# KiCad board raw.kicad_pcb (continued)
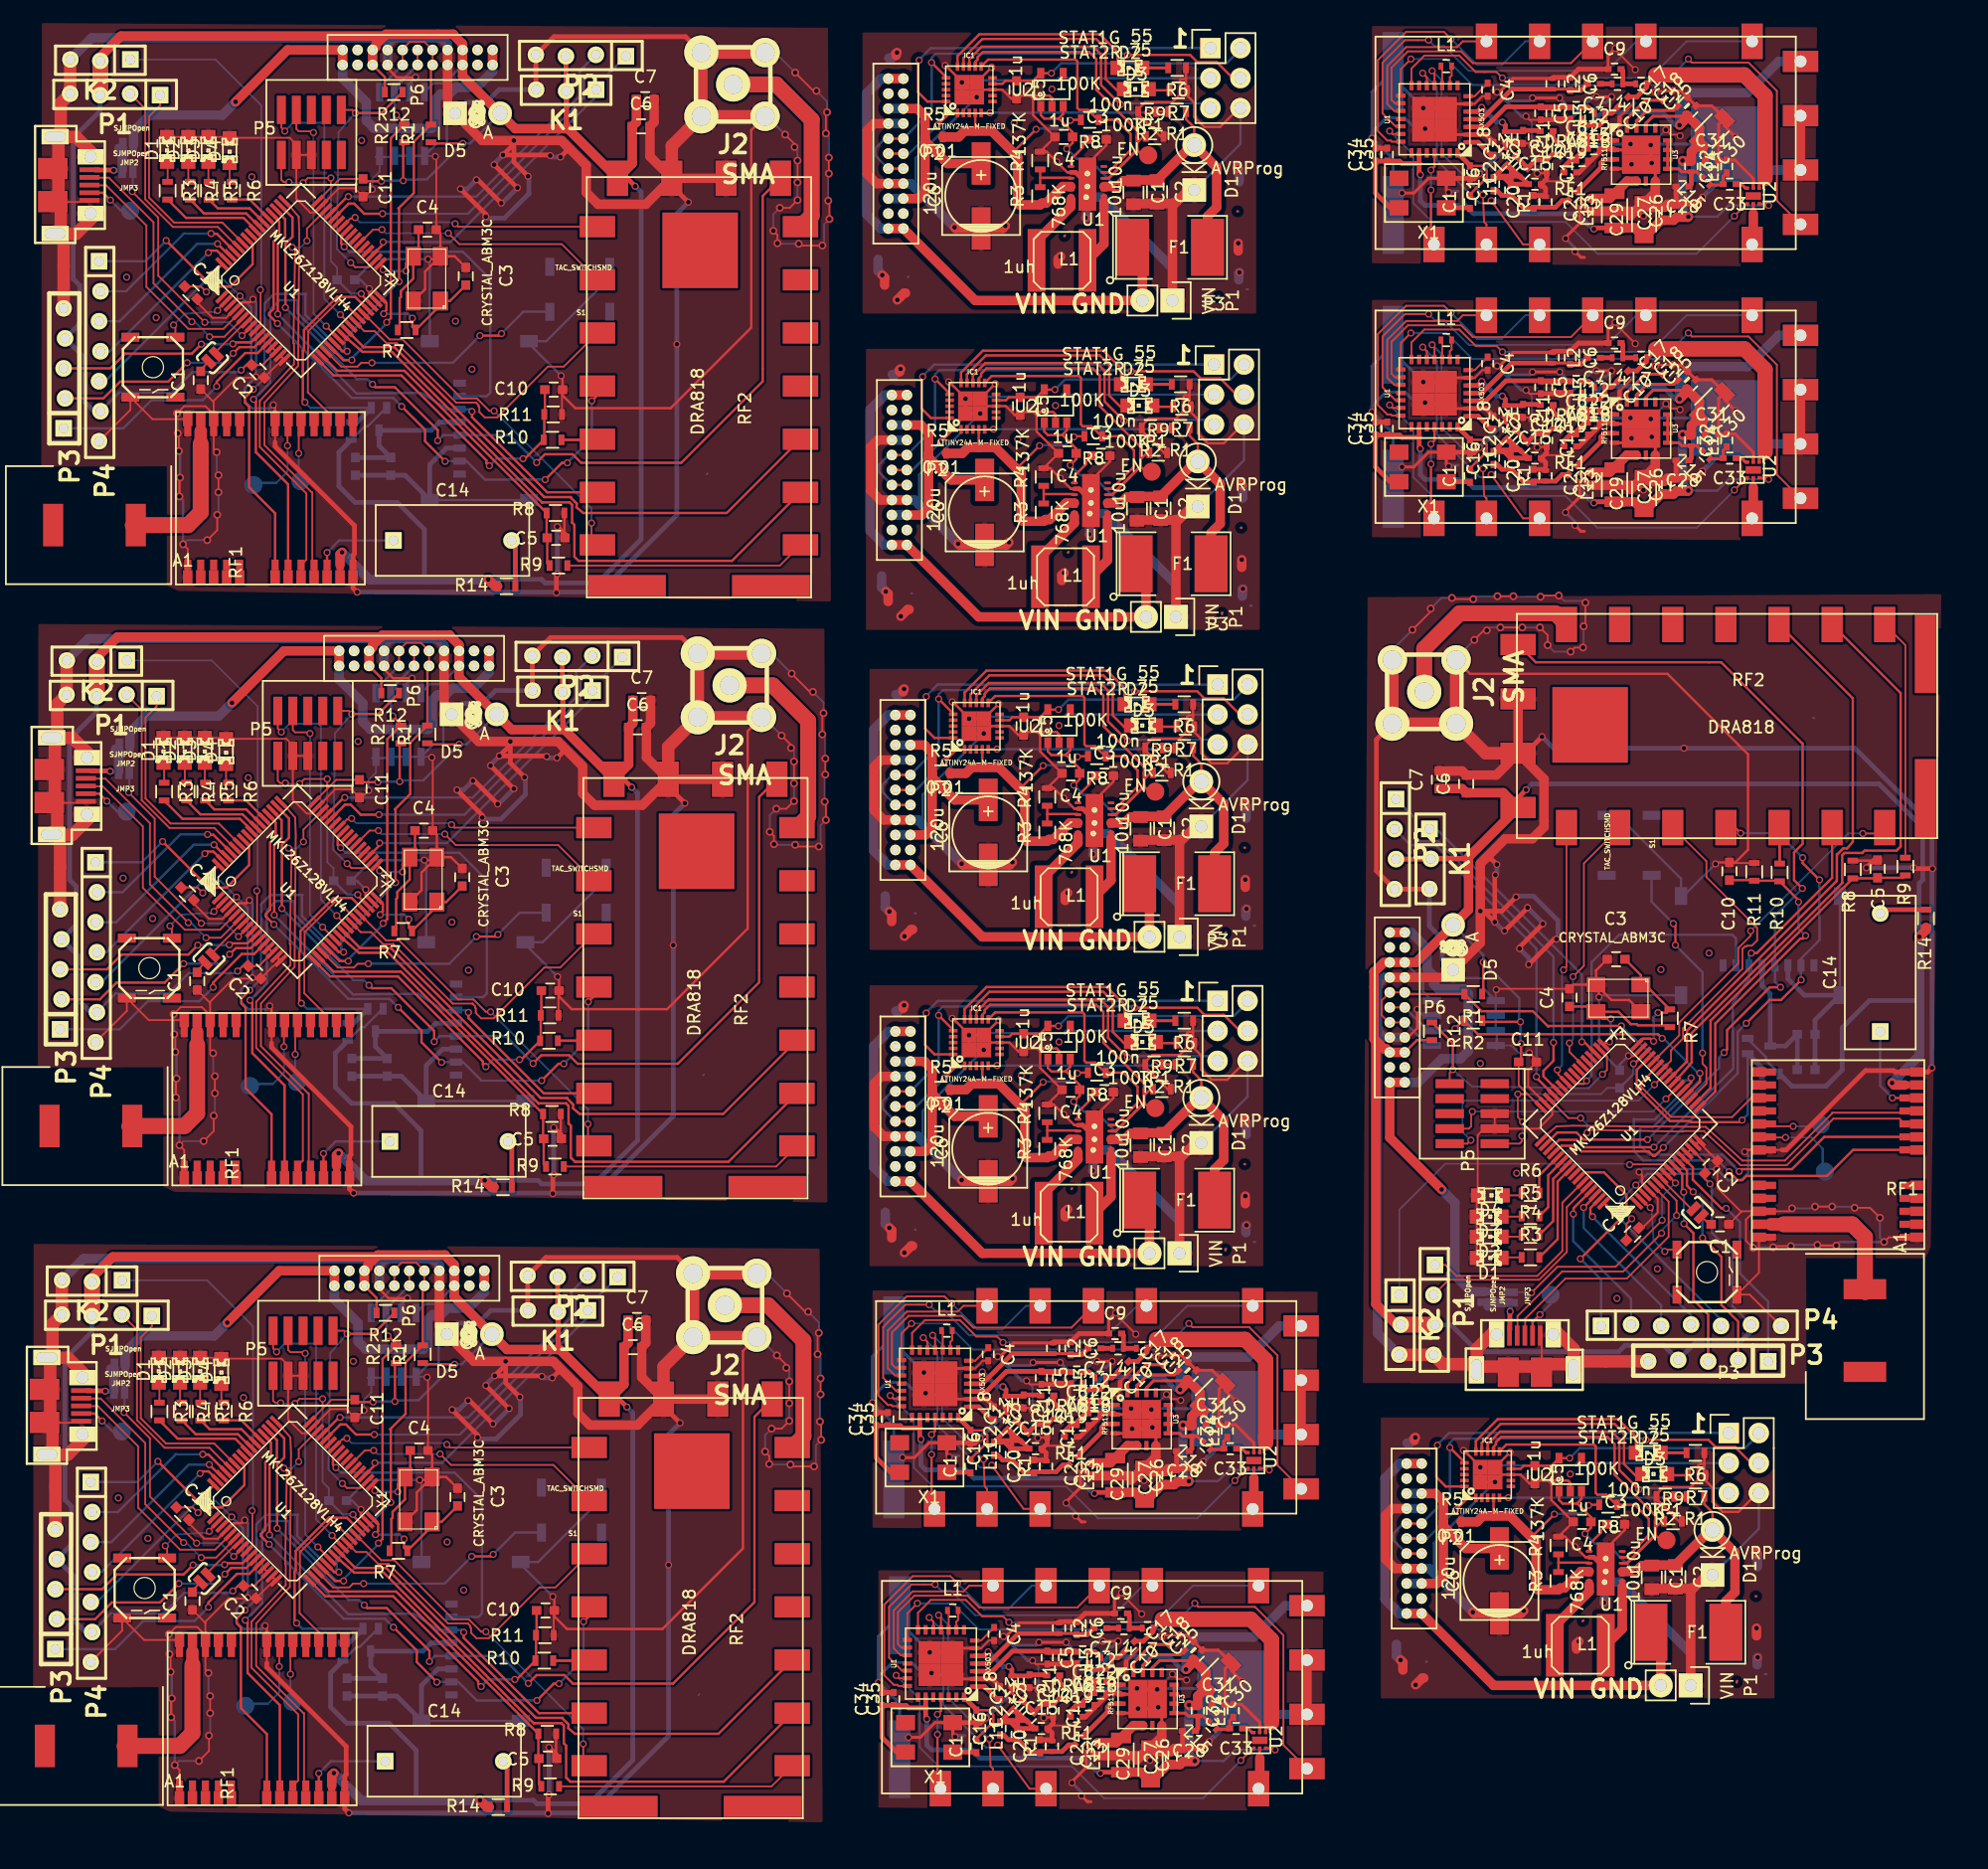
[diagram p0: board, top side]
## Placement (name value [footprint] x y rotation side) (continued)
P7#3  GPSDM  [Measurement_Point_Round-SMD-Pad_Small]  20.77 9.85 0 bottom
P7#4  GPSDM  [Measurement_Point_Round-SMD-Pad_Small]  150.25 58.75 90 bottom
P8  GPSDP  [Measurement_Point_Round-SMD-Pad_Small]  17.5 112.93 0 bottom
P8#2  GPSDP  [Measurement_Point_Round-SMD-Pad_Small]  17.2 62.03 0 bottom
P8#3  GPSDP  [Measurement_Point_Round-SMD-Pad_Small]  16.8 9.53 0 bottom
P8#4  GPSDP  [Measurement_Point_Round-SMD-Pad_Small]  150.58 54.78 90 bottom
P10  ID  [Measurement_Point_Round-SMD-Pad_Small]  7.05 136.15 0 bottom
P10#2  ID  [Measurement_Point_Round-SMD-Pad_Small]  6.75 85.25 0 bottom
P10#3  ID  [Measurement_Point_Round-SMD-Pad_Small]  6.35 32.75 0 bottom
P10#4  ID  [Measurement_Point_Round-SMD-Pad_Small]  127.35 44.33 90 bottom
Q1  MOS_P_NUM  [SOT-323]  28.12 118.5 180 bottom
Q1#2  MOS_P_NUM  [SOT-323]  27.83 67.6 180 bottom
Q1#3  MOS_P_NUM  [SOT-323]  27.43 15.1 180 bottom
Q1#4  MOS_P_NUM  [SOT-323]  145 65.4 270 bottom
R1  R  [R_0603]  95.72 144.55 180 top
R1#2  R  [R_0603]  96.03 117.75 180 top
R1#3  R  [R_0603]  96.32 90.65 180 top
R1#4  R  [R_0603]  139.62 27.25 180 top
R1#5  R  [R_0603]  96.32 63.85 180 top
R1#6  R  [R_0603]  32.52 142.7 90 top
R1#7  R  [R_0603]  32.23 91.8 90 top
R1#8  R  [R_0603]  31.83 39.3 90 top
R1#9  R  [R_0603]  120.8 69.8 180 top
R1#10  R  [R_0402]  84.62 29.8 90 top
R1#11  R  [R_0402]  85.12 6.1 90 top
R1#12  R  [R_0402]  126.92 136.9 90 top
R1#13  R  [R_0402]  126.92 113.7 90 top
R2  R  [R_0603]  93.18 144.55 180 top
R2#2  R  [R_0603]  93.47 117.75 180 top
R2#3  R  [R_0603]  93.78 90.65 180 top
R2#4  R  [R_0603]  137.07 27.25 180 top
R2#5  R  [R_0603]  93.78 63.85 180 top
R2#6  R  [R_0603]  30.27 142.7 90 top
R2#7  R  [R_0603]  29.98 91.8 90 top
R2#8  R  [R_0603]  29.58 39.3 90 top
R2#9  R  [R_0603]  120.8 67.55 180 top
R3  768K  [R_0603]  84.12 137.4 90 top
R3#2  768K  [R_0603]  84.43 110.6 90 top
R3#3  768K  [R_0603]  84.72 83.5 90 top
R3#4  768K  [R_0603]  128.03 20.1 90 top
R3#5  768K  [R_0603]  84.72 56.7 90 top
R3#6  R  [R_0603]  10.23 137.85 270 top
R3#7  R  [R_0603]  9.93 86.95 270 top
R3#8  R  [R_0603]  9.53 34.45 270 top
R3#9  R  [R_0603]  125.65 47.5 0 top
R4  137K  [R_0603]  84.12 140.4 90 top
R4#2  137K  [R_0603]  84.43 113.6 90 top
R4#3  137K  [R_0603]  84.72 86.5 90 top
R4#4  137K  [R_0603]  128.03 23.1 90 top
R4#5  137K  [R_0603]  84.72 59.7 90 top
R4#6  R  [R_0603]  12.12 137.85 270 top
R4#7  R  [R_0603]  11.83 86.95 270 top
R4#8  R  [R_0603]  11.43 34.45 270 top
R4#9  R  [R_0603]  125.65 49.4 0 top
R5  0.01  [R_0603]  75.12 142.4 0 top
R5#2  0.01  [R_0603]  75.43 115.6 0 top
R5#3  0.01  [R_0603]  75.72 88.5 0 top
R5#4  0.01  [R_0603]  119.03 25.1 0 top
R5#5  0.01  [R_0603]  75.72 61.7 0 top
R5#6  R  [R_0603]  13.73 137.85 270 top
R5#7  R  [R_0603]  13.43 86.95 270 top
R5#8  R  [R_0603]  13.03 34.45 270 top
R5#9  R  [R_0603]  125.65 51 0 top
R6  55  [R_0603]  95.72 148.25 180 top
R6#2  55  [R_0603]  96.03 121.45 180 top
R6#3  55  [R_0603]  96.32 94.35 180 top
R6#4  55  [R_0603]  139.62 30.95 180 top
R6#5  55  [R_0603]  96.32 67.55 180 top
R6#6  R  [R_0603]  15.68 137.85 270 top
R6#7  R  [R_0603]  15.38 86.95 270 top
R6#8  R  [R_0603]  14.98 34.45 270 top
R6#9  R  [R_0603]  125.65 52.95 0 top
R7  75  [R_0603]  95.82 146.35 180 top
R7#2  75  [R_0603]  96.12 119.55 180 top
R7#3  75  [R_0603]  96.43 92.45 180 top
R7#4  75  [R_0603]  139.72 29.05 180 top
R7#5  75  [R_0603]  96.43 65.65 180 top
R7#6  R  [R_0603]  30.48 126.05 0 top
R7#7  R  [R_0603]  30.18 75.15 0 top
R7#8  R  [R_0603]  29.77 22.65 0 top
R7#9  R  [R_0603]  137.45 67.75 90 top
R8  100K  [R_0603]  88.93 89.95 180 top
R8#2  100K  [R_0603]  88.32 143.85 180 top
R8#3  100K  [R_0603]  88.62 117.05 180 top
R8#4  100K  [R_0603]  88.93 63.15 180 top
R8#5  100K  [R_0603]  132.22 26.55 180 top
R8#6  R  [R_0603]  43.08 110.55 0 top
R8#7  R  [R_0603]  42.77 59.65 0 top
R8#8  R  [R_0603]  42.38 7.15 0 top
R8#9  R  [R_0603]  152.95 80.35 90 top
R9  100K  [R_0603]  94.43 88.55 0 top
R9#2  100K  [R_0603]  93.82 142.45 0 top
R9#3  100K  [R_0603]  94.12 115.65 0 top
R9#4  100K  [R_0603]  94.43 61.75 0 top
R9#5  100K  [R_0603]  137.72 25.15 0 top
R9#6  R  [R_0603]  43.33 106.1 180 top
R9#7  R  [R_0603]  43.02 55.2 180 top
R9#8  R  [R_0603]  42.62 2.7 180 top
R9#9  R  [R_0603]  157.4 80.6 270 top
R10  R  [R_0603]  42.83 116.75 0 top
R10#2  R  [R_0603]  42.52 65.85 0 top
R10#3  R  [R_0603]  42.12 13.35 0 top
R10#4  R  [R_0603]  146.75 80.1 90 top
R11  R  [R_0603]  42.88 118.9 0 top
R11#2  R  [R_0603]  42.58 68 0 top
R11#3  R  [R_0603]  42.18 15.5 0 top
R11#4  R  [R_0603]  144.6 80.15 90 top
R12  R  [R_0603]  29.38 146.2 180 top
R12#2  R  [R_0603]  29.08 95.3 180 top
R12#3  R  [R_0603]  28.68 42.8 180 top
R12#4  R  [R_0603]  117.3 66.65 270 top
R13  R  [R_0603]  25.77 117.5 270 bottom
R13#2  R  [R_0603]  25.48 66.6 270 bottom
R13#3  R  [R_0603]  25.08 14.1 270 bottom
R13#4  R  [R_0603]  146 63.05 0 bottom
R14  R  [R_0603]  38.62 53.45 180 top
R14#2  R  [R_0603]  38.93 104.35 180 top
R14#3  R  [R_0603]  38.23 0.95 180 top
R14#4  R  [R_0603]  159.15 76.2 270 top
RF1  NEO7  [NEO-7]  10.93 105.1 90 top
RF1#2  NEO7  [NEO-7]  10.62 54.2 90 top
RF1#3  NEO7  [NEO-7]  10.23 1.7 90 top
RF1#4  NEO7  [NEO-7]  158.4 48.2 180 top
RF1#5  DRA818  [RFModuleOutline]  70.72 25.3 0 bottom
RF1#6  DRA818  [RFModuleOutline]  71.22 1.6 0 bottom
RF1#7  DRA818  [RFModuleOutline]  113.03 132.4 0 bottom
RF1#8  DRA818  [RFModuleOutline]  113.03 109.2 0 bottom
RF2  -  [DRA818]  64.72 103.4 90 top
RF2#2  -  [DRA818]  64.43 52.5 90 top
RF2#3  -  [DRA818]  64.03 0 90 top
RF2#4  -  [DRA818]  160.1 102 180 top
S1  TAC_SWITCHSMD  [SparkFun-TACTILE_SWITCH_SMD]  45.12 129.5 0 bottom
S1#2  TAC_SWITCHSMD  [SparkFun-TACTILE_SWITCH_SMD]  44.83 78.6 0 bottom
S1#3  TAC_SWITCHSMD  [SparkFun-TACTILE_SWITCH_SMD]  44.43 26.1 0 bottom
S1#4  TAC_SWITCHSMD  [SparkFun-TACTILE_SWITCH_SMD]  134 82.4 90 bottom
S2  TAC_SWITCHSMD  [SparkFun-TACTILE_SWITCH_SMD]  8.98 122.9 270 top
S2#2  TAC_SWITCHSMD  [SparkFun-TACTILE_SWITCH_SMD]  8.68 72 270 top
S2#3  TAC_SWITCHSMD  [SparkFun-TACTILE_SWITCH_SMD]  8.28 19.5 270 top
S2#4  TAC_SWITCHSMD  [SparkFun-TACTILE_SWITCH_SMD]  140.6 46.25 0 top
TP1  EN  [Measurement_Point_Round-SMD-Pad_Small]  93.88 86.95 0 top
TP1#2  EN  [Measurement_Point_Round-SMD-Pad_Small]  93.28 140.85 0 top
TP1#3  EN  [Measurement_Point_Round-SMD-Pad_Small]  93.57 114.05 0 top
TP1#4  EN  [Measurement_Point_Round-SMD-Pad_Small]  93.88 60.15 0 top
TP1#5  EN  [Measurement_Point_Round-SMD-Pad_Small]  137.17 23.55 0 top
U1  -  [TPS63020]  88.72 84.5 0 top
U1#2  -  [TPS63020]  88.12 138.4 0 top
U1#3  -  [TPS63020]  88.43 111.6 0 top
U1#4  -  [TPS63020]  88.72 57.7 0 top
U1#5  -  [TPS63020]  132.03 21.1 0 top
U1#6  MKL26Z128VLH4  [lqfp64]  21.52 130.25 315 top
U1#7  MKL26Z128VLH4  [lqfp64]  21.23 79.35 315 top
U1#8  MKL26Z128VLH4  [lqfp64]  20.83 26.85 315 top
U1#9  MKL26Z128VLH4  [lqfp64]  133.25 58.8 45 top
U1#10  AX503  [qfn-28]  75.22 36.8 90 top
U1#11  AX503  [qfn-28]  75.72 13.1 90 top
U1#12  AX503  [qfn-28]  117.53 143.9 90 top
U1#13  AX503  [qfn-28]  117.53 120.7 90 top
U2  NCP508  [SOT-23-5]  85.12 146.4 180 top
U2#2  NCP508  [SOT-23-5]  85.43 119.6 180 top
U2#3  NCP508  [SOT-23-5]  85.72 92.5 180 top
U2#4  NCP508  [SOT-23-5]  129.03 29.1 180 top
U2#5  NCP508  [SOT-23-5]  85.72 65.7 180 top
U2#6  PE42424  [PE4242]  102.22 30.3 90 top
U2#7  PE42424  [PE4242]  102.72 6.6 90 top
U2#8  PE42424  [PE4242]  144.53 137.4 90 top
U2#9  PE42424  [PE4242]  144.53 114.2 90 top
U2#10  24C16  [SOIC-8_3.9x4.9mm_Pitch1.27mm]  30.08 143.5 90 bottom
U2#11  24C16  [SOIC-8_3.9x4.9mm_Pitch1.27mm]  29.77 92.6 90 bottom
U2#12  24C16  [SOIC-8_3.9x4.9mm_Pitch1.27mm]  29.38 40.1 90 bottom
U2#13  24C16  [SOIC-8_3.9x4.9mm_Pitch1.27mm]  120 67.35 180 bottom
U3  MICRO-B_USB  [USB micro B female]  0.7 138.33 0 top
U3#2  MICRO-B_USB  [USB micro B female]  0.4 87.43 0 top
U3#3  MICRO-B_USB  [USB micro B female]  0 34.93 0 top
U3#4  MICRO-B_USB  [USB micro B female]  125.18 37.98 90 top
U3#5  RF5110G  [qfn-16]  92.72 33.8 270 top
U3#6  RF5110G  [qfn-16]  93.22 10.1 270 top
U3#7  RF5110G  [qfn-16]  135.03 140.9 270 top
U3#8  RF5110G  [qfn-16]  135.03 117.7 270 top
X1  -  [CRYSTAL_ABM3C]  32.18 130.4 90 top
X1#2  -  [CRYSTAL_ABM3C]  31.88 79.5 90 top
X1#3  -  [CRYSTAL_ABM3C]  31.48 27 90 top
X1#4  -  [CRYSTAL_ABM3C]  133.1 69.45 180 top
X1#5  TCXO  [FOX924B]  72.22 31.8 0 top
X1#6  TCXO  [FOX924B]  72.72 8.1 0 top
X1#7  TCXO  [FOX924B]  114.53 138.9 0 top
X1#8  TCXO  [FOX924B]  114.53 115.7 0 top

## Footprints (pads in the part's own frame, mm; a bottom-side part is the same pattern mirrored in y, then rotated)
1.27mmPitchHeader11X2
  round 0.9 hole 0.55: 1(-1.27,7.62) 2(0,7.62) 3(-1.27,6.35) 4(0,6.35) 5(-1.27,5.08) 6(0,5.08) 7(-1.27,3.81) 8(0,3.81) 9(-1.27,2.54) 10(0,2.54) 11(-1.27,1.27) 12(0,1.27) 13(-1.27,0) 14(0,0) 15(-1.27,-1.27) 16(0,-1.27) 17(-1.27,-2.54) 18(0,-2.54) 19(-1.27,-3.81) 20(0,-3.81) 21(-1.27,-5.08) 22(0,-5.08)
C_0402
  rect 0.6x0.5 smd: 1(-0.55,0) 2(0.55,0)
C_0603
  rect 0.8x0.75 smd: 1(-0.75,0) 2(0.75,0)
C_0805
  rect 1x1.25 smd: 1(-1,0) 2(1,0)
C_1206
  rect 1x1.6 smd: 1(-1.5,0) 2(1.5,0)
c_elec_6.3x7.7
  rect 3.599x1.6 smd: 1(2.751,0) 2(-2.751,0)
C_Rect_L13_W6_H12_P10
  rect 1.4x1.4 hole 0.8: 1(0,0)
  round 1.4 hole 0.8: 2(10,0)
CONN_1x3
  rect 1.397x1.397 hole 0.813: 1(2.54,0.061)
  round 1.397 hole 0.813: 2(0,-0.061) 3(-2.54,0.061)
CONN_1x4
  rect 1.397x1.397 hole 0.813: 1(3.81,-0.061)
  round 1.397 hole 0.813: 2(1.27,0.061) 3(-1.27,-0.061) 4(-3.81,0.061)
CONN_1x5
  rect 1.397x1.397 hole 0.813: 1(5.08,-0.061)
  round 1.397 hole 0.813: 2(2.54,0.061) 3(0,-0.061) 4(-2.54,0.061) 5(-5.08,-0.061)
CONN_1x7
  rect 1.397x1.397 hole 0.813: 1(7.62,0.061)
  round 1.397 hole 0.813: 2(5.08,-0.061) 3(2.54,0.061) 4(0,-0.061) 5(-2.54,0.061) 6(-5.08,-0.061) 7(-7.62,0.061)
CortexDebug
  rect 0.76x2.4 smd: 1(-1.27,-1.27) 2(-1.27,2.54) 3(0,-1.27) 4(0,2.54) 5(1.27,-1.27) 6(1.27,2.54) 7(2.54,-1.27) 8(2.54,2.54) 9(3.81,-1.27) 10(3.81,2.54)
CRYSTAL_ABM3C
  rect 1.6x1.3 smd: 1(-1.9,-1.151) 2(1.9,-1.151) 3(1.9,1.151) 4(-1.9,1.151)
Diode_DO-41_SOD81_Vertical_AnodeUp
  rect 1.999x1.999 hole 1.001: 1(0,0)
  round 1.999 hole 1.27: 2(3.81,0)
Diode_DO-41_SOD81_Vertical_KathodeUp
  rect 1.999x1.999 hole 1.001: 1(0,0)
  round 1.999 hole 1.27: 2(3.81,0)
DRA818
  rect 1.8x3 smd: 1(4.45,18.1) 2(8.9,18.1) 3(13.4,18.1) 4(17.9,18.1) 5(22.4,18.1) 6(26.9,18.1) 7(31.4,18.1) 12(31.4,0.9) 13(26.9,0.9) 14(22.4,0.9) 15(17.9,0.9) 16(13.4,0.9) 17(8.9,0.9) 18(4.45,0.9)
  rect 3x1.8 smd: 8(35.5,16.4) 9(35.5,11.8) 10(35.5,7.2) 11(35.5,2.6)
  rect 6.4x6.4 smd: P1(29.4,9.4)
  rect 1.8x6.6 smd: P2(1,15.6) P3(1,3.4)
FOX924B
  rect 1.6x1.3 smd: 1(0,0) 2(4,0) 3(4,-2.5) 4(0,-2.5)
GPSAnt
  rect 1.7x3.6 smd: 1(-1,3) 2(6,3)
LED-0805
  rect 1.199x1.199 smd: 1(-1.049,0) 2(1.049,0)
lqfp64
  rect 0.33x1.3 smd: 1(-3.749,-5.751) 2(-3.251,-5.751) 3(-2.751,-5.751) 4(-2.25,-5.751) 5(-1.75,-5.751) 6(-1.25,-5.751) 7(-0.749,-5.751) 8(-0.249,-5.751) 9(0.249,-5.751) 10(0.749,-5.751) 11(1.25,-5.751) 12(1.75,-5.751) 13(2.25,-5.751) 14(2.751,-5.751) 15(3.251,-5.751) 16(3.749,-5.751) 33(3.749,5.751) 34(3.251,5.751) 35(2.751,5.751) 36(2.25,5.751) 37(1.75,5.751) 38(1.25,5.751) 39(0.749,5.751) 40(0.249,5.751) 41(-0.249,5.751) 42(-0.749,5.751) 43(-1.25,5.751) 44(-1.75,5.751) 45(-2.25,5.751) 46(-2.751,5.751) 47(-3.251,5.751) 48(-3.749,5.751)
  rect 1.3x0.33 smd: 17(5.751,-3.749) 18(5.751,-3.251) 19(5.751,-2.751) 20(5.751,-2.25) 21(5.751,-1.75) 22(5.751,-1.25) 23(5.751,-0.749) 24(5.751,-0.249) 25(5.751,0.249) 26(5.751,0.749) 27(5.751,1.25) 28(5.751,1.75) 29(5.751,2.25) 30(5.751,2.751) 31(5.751,3.251) 32(5.751,3.749) 49(-5.751,3.749) 50(-5.751,3.251) 51(-5.751,2.751) 52(-5.751,2.25) 53(-5.751,1.75) 54(-5.751,1.25) 55(-5.751,0.749) 56(-5.751,0.249) 57(-5.751,-0.249) 58(-5.751,-0.749) 59(-5.751,-1.25) 60(-5.751,-1.75) 61(-5.751,-2.25) 62(-5.751,-2.751) 63(-5.751,-3.251) 64(-5.751,-3.749)
Measurement_Point_Round-SMD-Pad_Small
  round 1.524 smd: 1(0,0)
MICRO_SD_HINGE_AMP
  rect 0.599x1.049 smd: 1(3.17,-9.469) 2(2.07,-9.469) 3(0.97,-9.469) 4(-0.13,-9.469) 5(-1.229,-9.469) 6(-2.329,-9.469) 7(-3.429,-9.469) 8(-4.529,-9.469)
  rect 1.049x1.501 smd: SHLD(-6.726,-11.999) SHLD(-6.726,-3.599) SHLD(6.726,-11.999) SHLD(6.726,-3.599)
NEO-7
  rect 0.9x0.6 smd: 1(12.4,-15) 2(12.4,-13.9) 3(12.4,-12.8) 4(12.4,-11.7) 5(12.4,-10.6) 6(12.4,-9.5) 7(12.4,-8.4) 8(12.4,-5.4) 9(12.4,-4.3) 10(12.4,-3.2) 11(12.4,-2.1) 12(12.4,-1) 13(1.05,-1) 14(1.05,-2.1) 15(1.05,-3.2) 16(1.05,-4.3) 17(1.05,-5.4) 18(1.05,-8.4) 19(1.05,-9.5) 20(1.05,-10.6) 21(1.05,-11.7) 22(1.05,-12.8) 23(1.05,-13.9) 24(1.05,-15)
  rect 1.2x0.8 smd: 1(13.4,-15) 2(13.4,-13.9) 3(13.4,-12.8) 4(13.4,-11.7) 5(13.4,-10.6) 6(13.4,-9.5) 7(13.4,-8.4) 8(13.4,-5.4) 9(13.4,-4.3) 10(13.4,-3.2) 11(13.4,-2.1) 12(13.4,-1) 13(0,-1) 14(0,-2.1) 15(0,-3.2) 16(0,-4.3) 17(0,-5.4) 18(0,-8.4) 19(0,-9.5) 20(0,-10.6) 21(0,-11.7) 22(0,-12.8) 23(0,-13.9) 24(0,-15)
PE4242
  rect 0.28x0.3 smd: 1(-0.66,0.5) 2(-0.66,0) 3(-0.66,-0.5) 4(0.66,-0.5) 5(0.66,0) 6(0.66,0.5)
  rect 0.63x1.3 smd: PAD(0,0)
Pin_Header_Straight_1x02
  rect 2.032x2.032 hole 1.016: 1(0,0)
  oval 2.032x2.032 hole 1.016: 2(0,-2.54)
Pin_Header_Straight_2x03
  rect 1.727x1.727 hole 1.016: 1(0,0)
  oval 1.727x1.727 hole 1.016: 2(2.54,0) 3(0,-2.54) 4(2.54,-2.54) 5(0,-5.08) 6(2.54,-5.08)
qfn-16
  rect 0.36x0.8 smd: 1(-1.2,-2.25) 2(-0.4,-2.25) 3(0.4,-2.25) 4(1.2,-2.25) 9(1.2,2.25) 10(0.4,2.25) 11(-0.4,2.25) 12(-1.2,2.25)
  rect 0.8x0.36 smd: 5(2.25,-1.2) 6(2.25,-0.4) 7(2.25,0.4) 8(2.25,1.2) 13(-2.25,1.2) 14(-2.25,0.4) 15(-2.25,-0.4) 16(-2.25,-1.2)
  rect 1.625x1.625 smd: 21(-0.812,0.812) 21(-0.812,-0.812) 21(0.812,0.812) 21(0.812,-0.812)
qfn-20
  rect 0.3x0.729 smd: 1(-1.001,-1.966) 2(-0.5,-1.966) 3(0,-1.966) 4(0.5,-1.966) 5(1.001,-1.966) 11(1.001,1.966) 12(0.5,1.966) 13(0,1.966) 14(-0.5,1.966) 15(-1.001,1.966)
  rect 0.729x0.3 smd: 6(1.966,-1.001) 7(1.966,-0.5) 8(1.966,0) 9(1.966,0.5) 10(1.966,1.001) 16(-1.966,1.001) 17(-1.966,0.5) 18(-1.966,0) 19(-1.966,-0.5) 20(-1.966,-1.001)
  rect 1.25x1.25 smd: 21(-0.625,0.625) 21(-0.625,-0.625) 21(0.625,0.625) 21(0.625,-0.625)
qfn-28
  rect 0.351x0.8 smd: 1(-1.951,-2.85) 2(-1.3,-2.85) 3(-0.65,-2.85) 4(0,-2.85) 5(0.65,-2.85) 6(1.3,-2.85) 7(1.951,-2.85) 15(2.002,2.852) 16(1.351,2.852) 17(0.701,2.852) 18(0,2.852) 19(-0.599,2.852) 20(-1.25,2.852) 21(-1.9,2.852)
  rect 0.8x0.351 smd: 8(2.852,-1.951) 9(2.852,-1.3) 10(2.852,-0.65) 11(2.852,0) 12(2.852,0.65) 13(2.852,1.3) 14(2.852,1.951) 22(-2.85,1.951) 23(-2.85,1.3) 24(-2.85,0.65) 25(-2.85,0) 26(-2.85,-0.65) 27(-2.85,-1.3) 28(-2.85,-1.951)
  rect 1.9x1.9 smd: 29(-0.95,0.95) 29(-0.95,-0.95) 29(0.95,0.95) 29(0.95,-0.95)
R_0402
  rect 0.4x0.6 smd: 1(-0.45,0) 2(0.45,0)
R_0603
  rect 0.5x0.9 smd: 1(-0.75,0) 2(0.75,0)
R_1206
  rect 0.9x1.7 smd: 1(-1.45,0) 2(1.45,0)
RFModuleOutline
  rect 1.8x3 hole 1: 2(8.9,-18.1) 3(13.4,-18.1) 4(17.9,-18.1) 5(22.4,-18.1) 7(31.4,-18.1) 12(31.4,-0.9) 16(13.4,-0.9) 17(8.9,-0.9) 18(4.45,-0.9)
  rect 3x1.8 hole 1: 8(35.5,-16.4) 9(35.5,-11.8) 10(35.5,-7.2) 11(35.5,-2.6)
  rect 6.4x6.4 smd: P1(29.4,-9.4)
  rect 1.8x6.6 smd: P2(1,-15.6) P3(1,-3.4)
SELF-WE-TPC_M
  rect 1.501x5.301 smd: 1(-2.159,0) 2(2.159,0)
SMA
  round 2.9 hole 1.6: 1(0,0) 2(-2.7,2.7) 5(-2.7,-2.7)
  round 2.5 hole 1.6: 3(2.7,2.7) 4(2.7,-2.7)
SMD-2112_Pol
  rect 2.794x4.826 smd: 1(-3.175,0) 2(3.175,0)
SOIC-8_3.9x4.9mm_Pitch1.27mm
  rect 1.55x0.6 smd: 1(-2.7,1.905) 2(-2.7,0.635) 3(-2.7,-0.635) 4(-2.7,-1.905) 5(2.7,-1.905) 6(2.7,-0.635) 7(2.7,0.635) 8(2.7,1.905)
SOT-23-5
  rect 0.6x0.9 smd: 1(0.95,1.4) 2(0,1.4) 3(-0.95,1.4) 4(-0.95,-1.4) 5(0.95,-1.4)
SOT-323
  rect 0.599x1.001 smd: 1(0.65,0.95) 2(-0.65,0.95) 3(0,-0.95)
SparkFun-SJ_2S-NO
  rect 0.635x1.27 smd: 1(-0.45,0) 2(0.45,0)
SparkFun-TACTILE_SWITCH_SMD
  rect 0.762x1.524 smd: 1(-2.54,1.905) 2(2.54,1.905) 3(-2.54,-1.905) 4(2.54,-1.905)
TPS63020
  oval 0.6x0.24 smd: 1(-1.4,1.5) 2(-1.4,1) 3(-1.4,0.5) 4(-1.4,0) 5(-1.4,-0.5) 6(-1.4,-1) 7(-1.4,-1.5) 8(1.4,-1.5) 9(1.4,-1) 10(1.4,-0.5) 11(1.4,0) 12(1.4,0.5) 13(1.4,1) 14(1.4,1.5)
  round 0.5 hole 0.2: PAD(-0.1,-1.1) PAD(0,0.9) PAD(0,-0.2)
  rect 1.5x4.5 smd: PAD(0,0)
USB micro B female
  rect 1.699x0.399 smd: 1(2.901,1.3) 2(2.901,0.65) 3(2.901,0) 4(2.901,-0.65) 5(2.901,-1.3)
  rect 2.499x1.801 smd: 6(-0.201,1.4) 6(-0.201,-1.4)
  rect 2.301x1.3 hole 1.778x0.889: 6(0,4.1) 6(0,-4.1)
  rect 2.202x1.3 hole 1.016: 6(3,2.4) 6(3,-2.4)

## Nets
+3.3V: C2#6.2 C2#7.2 C2#8.2 C2#9.2 C6.1 C6#2.1 C6#3.1 C6#4.1 C6#5.1 C6#6.1 C6#7.1 C6#8.1 C6#9.1 C7.1 C7#2.1 C7#3.1 C7#4.1 C11.1 C11#2.1 C11#3.1 C11#4.1 C12#5.1 C12#6.1 C12#7.1 C12#8.1 C13.1 C13#2.1 C13#3.1 C13#4.1 C19.1 C19#2.1 C19#3.1 C19#4.1 C21.1 C21#2.1 C21#3.1 C21#4.1 C22.1 C22#2.1 C22#3.1 C22#4.1 C25.1 C25#2.1 C25#3.1 C25#4.1 C26.1 C26#2.1 C26#3.1 C26#4.1 C27.1 C27#2.1 C27#3.1 C27#4.1 C29.1 C29#2.1 C29#3.1 C29#4.1 C30.2 C30#2.2 C30#3.2 C30#4.2 C31.1 C31#2.1 C31#3.1 C31#4.1 C34.1 C34#2.1 C34#3.1 C34#4.1 C35.1 C35#2.1 C35#3.1 C35#4.1 D5.2 D5#2.2 D5#3.2 D5#4.2 K1.2 K1#2.2 K1#3.2 K1#4.2 K2.2 K2#2.2 K2#3.2 K2#4.2 L12.1 L12#2.1 L12#3.1 L12#4.1 L13.1 L13#2.1 L13#3.1 L13#4.1 L14.1 L14#2.1 L14#3.1 L14#4.1 P1#6.3 P1#7.3 P1#8.3 P1#9.3 P2.5 P2.6 P2.17 P2.18 P2#2.5 P2#2.6 P2#2.17 P2#2.18 P2#3.5 P2#3.6 P2#3.17 P2#3.18 P2#4.5 P2#4.6 P2#4.17 P2#4.18 P2#5.5 P2#5.6 P2#5.17 P2#5.18 P2#6.3 P2#7.3 P2#8.3 P2#9.3 P3#6.4 P3#7.4 P3#8.4 P3#9.4 P4.6 P4#2.6 P4#3.6 P4#4.6 P5.1 P5#2.1 P5#3.1 P5#4.1 P6.5 P6.6 P6.17 P6.18 P6#2.5 P6#2.6 P6#2.17 P6#2.18 P6#3.5 P6#3.6 P6#3.17 P6#3.18 P6#4.5 P6#4.6 P6#4.17 P6#4.18 Q1.2 Q1#2.2 Q1#3.2 Q1#4.2 R1#6.1 R1#7.1 R1#8.1 R1#9.1 R2#6.1 R2#7.1 R2#8.1 R2#9.1 R5.1 R5#2.1 R5#3.1 R5#4.1 R5#5.1 R12.2 R12#2.2 R12#3.2 R12#4.2 R13.2 R13#2.2 R13#3.2 R13#4.2 R14.2 R14#2.2 R14#3.2 R14#4.2 RF1.23 RF1#2.23 RF1#3.23 RF1#4.23 RF1#5.8 RF1#6.8 RF1#7.8 RF1#8.8 RF2.8 RF2#2.8 RF2#3.8 RF2#4.8 U1#6.3 U1#6.13 U1#6.14 U1#6.30 U1#6.48 U1#7.3 U1#7.13 U1#7.14 U1#7.30 U1#7.48 U1#8.3 U1#8.13 U1#8.14 U1#8.30 U1#8.48 U1#9.3 U1#9.13 U1#9.14 U1#9.30 U1#9.48 U1#10.23 U1#11.23 U1#12.23 U1#13.23 U2#6.3 U2#7.3 U2#8.3 U2#9.3 U2#10.8 U2#11.8 U2#12.8 U2#13.8 U3#5.14 U3#6.14 U3#7.14 U3#8.14 X1#5.4 X1#6.4 X1#7.4 X1#8.4
/Vin: C1.1 C1#2.1 C1#3.1 C1#4.1 C1#5.1 C2.1 C2#2.1 C2#3.1 C2#4.1 C2#5.1 C4.1 C4#2.1 C4#3.1 C4#4.1 C4#5.1 D1.2 D1#2.2 D1#3.2 D1#4.2 D1#5.2 F1.2 F1#2.2 F1#3.2 F1#4.2 F1#5.2 R1.1 R1#2.1 R1#3.1 R1#4.1 R1#5.1 U1.10 U1.11 U1#2.10 U1#2.11 U1#3.10 U1#3.11 U1#4.10 U1#4.11 U1#5.10 U1#5.11 U2.1 U2.3 U2#2.1 U2#2.3 U2#3.1 U2#3.3 U2#4.1 U2#4.3 U2#5.1 U2#5.3
GND: C1.2 C1#2.2 C1#3.2 C1#4.2 C1#5.2 C1#6.1 C1#7.1 C1#8.1 C1#9.1 C2.2 C2#2.2 C2#3.2 C2#4.2 C2#5.2 C2#6.1 C2#7.1 C2#8.1 C2#9.1 C2#10.2 C2#11.2 C2#12.2 C2#13.2 C3.2 C3#2.2 C3#3.2 C3#4.2 C3#5.2 C3#6.2 C3#7.2 C3#8.2 C3#9.2 C3#10.1 C3#11.1 C3#12.1 C3#13.1 C4.2 C4#2.2 C4#3.2 C4#4.2 C4#5.2 C4#6.2 C4#7.2 C4#8.2 C4#9.2 C4#10.2 C4#11.2 C4#12.2 C4#13.2 C5.2 C5#2.2 C5#3.2 C5#4.2 C5#5.2 C5#6.2 C5#7.2 C5#8.2 C5#9.2 C5#10.2 C5#11.2 C5#12.2 C5#13.2 C6.2 C6#2.2 C6#3.2 C6#4.2 C6#5.2 C6#6.2 C6#7.2 C6#8.2 C6#9.2 C6#10.1 C6#11.1 C6#12.1 C6#13.1 C7.2 C7#2.2 C7#3.2 C7#4.2 C8#5.1 C8#6.1 C8#7.1 C8#8.1 C9.1 C9#2.1 C9#3.1 C9#4.1 C9#5.1 C9#6.1 C9#7.1 C9#8.1 C10.2 C10#2.2 C10#3.2 C10#4.2 C11.2 C11#2.2 C11#3.2 C11#4.2 C11#5.2 C11#6.2 C11#7.2 C11#8.2 C12#5.2 C12#6.2 C12#7.2 C12#8.2 C13.2 C13#2.2 C13#3.2 C13#4.2 C13#5.2 C13#6.2 C13#7.2 C13#8.2 C15.2 C15#2.2 C15#3.2 C15#4.2 C17.2 C17#2.2 C17#3.2 C17#4.2 C18.2 C18#2.2 C18#3.2 C18#4.2 C19.2 C19#2.2 C19#3.2 C19#4.2 C20.2 C20#2.2 C20#3.2 C20#4.2 C21.2 C21#2.2 C21#3.2 C21#4.2 C22.2 C22#2.2 C22#3.2 C22#4.2 C24.1 C24#2.1 C24#3.1 C24#4.1 C25.2 C25#2.2 C25#3.2 C25#4.2 C26.2 C26#2.2 C26#3.2 C26#4.2 C27.2 C27#2.2 C27#3.2 C27#4.2 C28.2 C28#2.2 C28#3.2 C28#4.2 C29.2 C29#2.2 C29#3.2 C29#4.2 C30.1 C30#2.1 C30#3.1 C30#4.1 C31.2 C31#2.2 C31#3.2 C31#4.2 C32.2 C32#2.2 C32#3.2 C32#4.2 C34.2 C34#2.2 C34#3.2 C34#4.2 C35.2 C35#2.2 C35#3.2 C35#4.2 D1.1 D1#2.1 D1#3.1 D1#4.1 D1#5.1 D1#6.2 D1#7.2 D1#8.2 D1#9.2 D2#6.2 D2#7.2 D2#8.2 D2#9.2 D3#6.2 D3#7.2 D3#8.2 D3#9.2 D4.2 D4#2.2 D4#3.2 D4#4.2 D5.1 D5#2.1 D5#3.1 D5#4.1 IC1.8 IC1.21 IC1#2.8 IC1#2.21 IC1#3.8 IC1#3.21 IC1#4.8 IC1#4.21 IC1#5.8 IC1#5.21 J1.6 J1.SHLD J1#2.6 J1#2.SHLD J1#3.6 J1#3.SHLD J1#4.6 J1#4.SHLD J2.2 J2.3 J2.4 J2.5 J2#2.2 J2#2.3 J2#2.4 J2#2.5 J2#3.2 J2#3.3 J2#3.4 J2#3.5 J2#4.2 J2#4.3 J2#4.4 J2#4.5 K1.3 K1#2.3 K1#3.3 K1#4.3 K2.3 K2#2.3 K2#3.3 K2#4.3 L2.1 L2#2.1 L2#3.1 L2#4.1 L3.2 L3#2.2 L3#3.2 L3#4.2 L6.2 L6#2.2 L6#3.2 L6#4.2 L8.1 L8#2.1 L8#3.1 L8#4.1 P1.1 P1#2.1 P1#3.1 P1#4.1 P1#5.1 P1#6.4 P1#7.4 P1#8.4 P1#9.4 P2.7 P2.8 P2.15 P2.16 P2#2.7 P2#2.8 P2#2.15 P2#2.16 P2#3.7 P2#3.8 P2#3.15 P2#3.16 P2#4.7 P2#4.8 P2#4.15 P2#4.16 P2#5.7 P2#5.8 P2#5.15 P2#5.16 P2#6.4 P2#7.4 P2#8.4 P2#9.4 P3.6 P3#2.6 P3#3.6 P3#4.6 P3#5.6 P3#6.5 P3#7.5 P3#8.5 P3#9.5 P4.7 P4#2.7 P4#3.7 P4#4.7 P5.3 P5.5 P5#2.3 P5#2.5 P5#3.3 P5#3.5 P5#4.3 P5#4.5 P6.7 P6.8 P6.15 P6.16 P6#2.7 P6#2.8 P6#2.15 P6#2.16 P6#3.7 P6#3.8 P6#3.15 P6#3.16 P6#4.7 P6#4.8 P6#4.15 P6#4.16 R1#10.2 R1#11.2 R1#12.2 R1#13.2 R2.2 R2#2.2 R2#3.2 R2#4.2 R2#5.2 R4.2 R4#2.2 R4#3.2 R4#4.2 R4#5.2 R6.1 R6#2.1 R6#3.1 R6#4.1 R6#5.1 R7.1 R7#2.1 R7#3.1 R7#4.1 R7#5.1 R8#6.2 R8#7.2 R8#8.2 R8#9.2 R9.2 R9#2.2 R9#3.2 R9#4.2 R9#5.2 R11.2 R11#2.2 R11#3.2 R11#4.2 RF1.7 RF1.10 RF1.12 RF1.13 RF1.24 RF1#2.7 RF1#2.10 RF1#2.12 RF1#2.13 RF1#2.24 RF1#3.7 RF1#3.10 RF1#3.12 RF1#3.13 RF1#3.24 RF1#4.7 RF1#4.10 RF1#4.12 RF1#4.13 RF1#4.24 RF1#5.9 RF1#5.10 RF1#5.P1 RF1#5.P2 RF1#5.P3 RF1#6.9 RF1#6.10 RF1#6.P1 RF1#6.P2 RF1#6.P3 RF1#7.9 RF1#7.10 RF1#7.P1 RF1#7.P2 RF1#7.P3 RF1#8.9 RF1#8.10 RF1#8.P1 RF1#8.P2 RF1#8.P3 RF2.9 RF2.10 RF2#2.9 RF2#2.10 RF2#3.9 RF2#3.10 RF2#4.9 RF2#4.10 S1.4 S1#2.4 S1#3.4 S1#4.4 S2.4 S2#2.4 S2#3.4 S2#4.4 U1.2 U1.PAD U1#2.2 U1#2.PAD U1#3.2 U1#3.PAD U1#4.2 U1#4.PAD U1#5.2 U1#5.PAD U1#6.4 U1#6.15 U1#6.16 U1#6.31 U1#6.47 U1#7.4 U1#7.15 U1#7.16 U1#7.31 U1#7.47 U1#8.4 U1#8.15 U1#8.16 U1#8.31 U1#8.47 U1#9.4 U1#9.15 U1#9.16 U1#9.31 U1#9.47 U1#10.2 U1#10.6 U1#10.29 U1#11.2 U1#11.6 U1#11.29 U1#12.2 U1#12.6 U1#12.29 U1#13.2 U1#13.6 U1#13.29 U2.2 U2#2.2 U2#3.2 U2#4.2 U2#5.2 U2#6.5 U2#7.5 U2#8.5 U2#9.5 U2#10.1 U2#10.2 U2#10.3 U2#10.4 U2#10.7 U2#11.1 U2#11.2 U2#11.3 U2#11.4 U2#11.7 U2#12.1 U2#12.2 U2#12.3 U2#12.4 U2#12.7 U2#13.1 U2#13.2 U2#13.3 U2#13.4 U2#13.7 U3.5 U3.6 U3#2.5 U3#2.6 U3#3.5 U3#3.6 U3#4.5 U3#4.6 U3#5.2 U3#5.4 U3#5.8 U3#5.21 U3#6.2 U3#6.4 U3#6.8 U3#6.21 U3#7.2 U3#7.4 U3#7.8 U3#7.21 U3#8.2 U3#8.4 U3#8.8 U3#8.21 X1.2 X1.4 X1#2.2 X1#2.4 X1#3.2 X1#3.4 X1#4.2 X1#4.4 X1#5.2 X1#6.2 X1#7.2 X1#8.2
/AF_IN: RF1#5.18 RF1#6.18 RF1#7.18 RF1#8.18 U1#10.25 U1#11.25 U1#12.25 U1#13.25
/AF_OUT: RF1#5.3 RF1#6.3 RF1#7.3 RF1#8.3 U1#10.21 U1#11.21 U1#12.21 U1#13.21
/BattIn: F1.1 F1#2.1 F1#3.1 F1#4.1 F1#5.1 P1.2 P1#2.2 P1#3.2 P1#4.2 P1#5.2 P2.1 P2.2 P2.21 P2.22 P2#2.1 P2#2.2 P2#2.21 P2#2.22 P2#3.1 P2#3.2 P2#3.21 P2#3.22 P2#4.1 P2#4.2 P2#4.21 P2#4.22 P2#5.1 P2#5.2 P2#5.21 P2#5.22
/CLK: IC1.1 IC1#2.1 IC1#3.1 IC1#4.1 IC1#5.1 P2.11 P2.12 P2#2.11 P2#2.12 P2#3.11 P2#3.12 P2#4.11 P2#4.12 P2#5.11 P2#5.12 P3.3 P3#2.3 P3#3.3 P3#4.3 P3#5.3 RF1#5.11 RF1#6.11 RF1#7.11 RF1#8.11 U1#10.15 U1#11.15 U1#12.15 U1#13.15
/DRAAFIn: C5#6.1 C5#7.1 C5#8.1 C5#9.1 R8#6.1 R8#7.1 R8#8.1 R8#9.1 R9#6.2 R9#7.2 R9#8.2 R9#9.2 U1#6.18 U1#7.18 U1#8.18 U1#9.18
/DRAAFOut: C10.1 C10#2.1 C10#3.1 C10#4.1 R10.1 R10#2.1 R10#3.1 R10#4.1 R11.1 R11#2.1 R11#3.1 R11#4.1 U1#6.17 U1#7.17 U1#8.17 U1#9.17
/DRAHLCSel: RF2.7 RF2#2.7 RF2#3.7 RF2#4.7 U1#6.42 U1#7.42 U1#8.42 U1#9.42
/DRAPD: RF2.6 RF2#2.6 RF2#3.6 RF2#4.6 U1#6.38 U1#7.38 U1#8.38 U1#9.38
/DRAPttIRQ: RF2.5 RF2#2.5 RF2#3.5 RF2#4.5 U1#6.26 U1#7.26 U1#8.26 U1#9.26
/DRARx: RF2.16 RF2#2.16 RF2#3.16 RF2#4.16 U1#6.24 U1#7.24 U1#8.24 U1#9.24
/DRASq: RF2.1 RF2#2.1 RF2#3.1 RF2#4.1 U1#6.28 U1#7.28 U1#8.28 U1#9.28
/DRATx: RF2.17 RF2#2.17 RF2#3.17 RF2#4.17 U1#6.23 U1#7.23 U1#8.23 U1#9.23
/Enable: IC1.12 IC1#2.12 IC1#3.12 IC1#4.12 IC1#5.12 R9.1 R9#2.1 R9#3.1 R9#4.1 R9#5.1 TP1.1 TP1#2.1 TP1#3.1 TP1#4.1 TP1#5.1 U1.12 U1#2.12 U1#3.12 U1#4.12 U1#5.12
/externalADC1: K2.1 K2#2.1 K2#3.1 K2#4.1 U1#6.9 U1#7.9 U1#8.9 U1#9.9
/externalADC2: P3#6.3 P3#7.3 P3#8.3 P3#9.3 U1#6.10 U1#7.10 U1#8.10 U1#9.10
/externalADC3: P3#6.2 P3#7.2 P3#8.2 P3#9.2 U1#6.11 U1#7.11 U1#8.11 U1#9.11
/externalADC4: P3#6.1 P3#7.1 P3#8.1 P3#9.1 U1#6.12 U1#7.12 U1#8.12 U1#9.12
/externalI2C1SCL: P2#6.1 P2#7.1 P2#8.1 P2#9.1 U1#6.44 U1#7.44 U1#8.44 U1#9.44
/externalI2C1SDA: P2#6.2 P2#7.2 P2#8.2 P2#9.2 U1#6.45 U1#7.45 U1#8.45 U1#9.45
/externalPWMOut: K1.1 K1#2.1 K1#3.1 K1#4.1 U1#6.35 U1#7.35 U1#8.35 U1#9.35
/externalSPI1CS1: P4.1 P4#2.1 P4#3.1 P4#4.1 U1#6.58 U1#7.58 U1#8.58 U1#9.58
/externalSPI1MISO: P4.5 P4#2.5 P4#3.5 P4#4.5 U1#6.64 U1#7.64 U1#8.64 U1#9.64
/externalSPI1MOSI: P4.4 P4#2.4 P4#3.4 P4#4.4 U1#6.63 U1#7.63 U1#8.63 U1#9.63
/externalSPI1PCS0: P4.2 P4#2.2 P4#3.2 P4#4.2 U1#6.61 U1#7.61 U1#8.61 U1#9.61
/externalSPI1SCK: P4.3 P4#2.3 P4#3.3 P4#4.3 U1#6.62 U1#7.62 U1#8.62 U1#9.62
/externalUART2RX: P1#6.1 P1#7.1 P1#8.1 P1#9.1 U1#6.59 U1#7.59 U1#8.59 U1#9.59
/externalUART2TX: P1#6.2 P1#7.2 P1#8.2 P1#9.2 U1#6.60 U1#7.60 U1#8.60 U1#9.60
/GPSPulse: RF1.3 RF1#2.3 RF1#3.3 RF1#4.3 U1#6.27 U1#7.27 U1#8.27 U1#9.27
/GPSRX: RF1.21 RF1#2.21 RF1#3.21 RF1#4.21 U1#6.49 U1#7.49 U1#8.49 U1#9.49
/GPSTX: RF1.20 RF1#2.20 RF1#3.20 RF1#4.20 U1#6.46 U1#7.46 U1#8.46 U1#9.46
/internalI2C0SCL: P6.11 P6.12 P6#2.11 P6#2.12 P6#3.11 P6#3.12 P6#4.11 P6#4.12 R2#6.2 R2#7.2 R2#8.2 R2#9.2 RF1.19 RF1#2.19 RF1#3.19 RF1#4.19 U1#6.20 U1#7.20 U1#8.20 U1#9.20 U2#10.6 U2#11.6 U2#12.6 U2#13.6
/internalI2C0SDA: P6.9 P6.10 P6.13 P6.14 P6#2.9 P6#2.10 P6#2.13 P6#2.14 P6#3.9 P6#3.10 P6#3.13 P6#3.14 P6#4.9 P6#4.10 P6#4.13 P6#4.14 R1#6.2 R1#7.2 R1#8.2 R1#9.2 RF1.18 RF1#2.18 RF1#3.18 RF1#4.18 U1#6.21 U1#7.21 U1#8.21 U1#9.21 U2#10.5 U2#11.5 U2#12.5 U2#13.5
/internalSPI0Clk: J1.5 J1#2.5 J1#3.5 J1#4.5 RF2.11 RF2#2.11 RF2#3.11 RF2#4.11 U1#6.50 U1#7.50 U1#8.50 U1#9.50
/internalSPI0MISO: J1.7 J1#2.7 J1#3.7 J1#4.7 RF2.4 RF2#2.4 RF2#3.4 RF2#4.4 U1#6.52 U1#7.52 U1#8.52 U1#9.52
/internalSPI0MOSI: J1.3 J1#2.3 J1#3.3 J1#4.3 RF2.2 RF2#2.2 RF2#3.2 RF2#4.2 U1#6.51 U1#7.51 U1#8.51 U1#9.51
/IRQOUT: RF1#5.5 RF1#6.5 RF1#7.5 RF1#8.5 U1#10.19 U1#11.19 U1#12.19 U1#13.19
/ISenceHi: IC1.3 IC1#2.3 IC1#3.3 IC1#4.3 IC1#5.3
/ISense: IC1.4 IC1#2.4 IC1#3.4 IC1#4.4 IC1#5.4 R3.1 R3#2.1 R3#3.1 R3#4.1 R3#5.1 R5.2 R5#2.2 R5#3.2 R5#4.2 R5#5.2 R8.2 R8#2.2 R8#3.2 R8#4.2 R8#5.2 U1.4 U1.5 U1#2.4 U1#2.5 U1#3.4 U1#3.5 U1#4.4 U1#4.5 U1#5.4 U1#5.5
/LED1: R3#6.2 R3#7.2 R3#8.2 R3#9.2 U1#6.56 U1#7.56 U1#8.56 U1#9.56
/LED2: R4#6.2 R4#7.2 R4#8.2 R4#9.2 U1#6.55 U1#7.55 U1#8.55 U1#9.55
/LED3: R5#6.2 R5#7.2 R5#8.2 R5#9.2 U1#6.54 U1#7.54 U1#8.54 U1#9.54
/LED4: R6#6.2 R6#7.2 R6#8.2 R6#9.2 U1#6.53 U1#7.53 U1#8.53 U1#9.53
/MISO: RF1#5.4 RF1#6.4 RF1#7.4 RF1#8.4 U1#10.16 U1#11.16 U1#12.16 U1#13.16
/MOSI: RF1#5.2 RF1#6.2 RF1#7.2 RF1#8.2 U1#10.17 U1#11.17 U1#12.17 U1#13.17
/PA/PAInput: C11#5.1 C11#6.1 C11#7.1 C11#8.1 C12.2 C12#2.2 C12#3.2 C12#4.2 L8.2 L8#2.2 L8#3.2 L8#4.2 U1#10.5 U1#11.5 U1#12.5 U1#13.5
/PA/PAOutput: C33.1 C33#2.1 C33#3.1 C33#4.1 U2#6.6 U2#7.6 U2#8.6 U2#9.6
/PSave: IC1.11 IC1#2.11 IC1#3.11 IC1#4.11 IC1#5.11 R8.1 R8#2.1 R8#3.1 R8#4.1 R8#5.1 U1.13 U1#2.13 U1#3.13 U1#4.13 U1#5.13
/SDA: IC1.16 IC1#2.16 IC1#3.16 IC1#4.16 IC1#5.16 P2.9 P2.10 P2.13 P2.14 P2#2.9 P2#2.10 P2#2.13 P2#2.14 P2#3.9 P2#3.10 P2#3.13 P2#3.14 P2#4.9 P2#4.10 P2#4.13 P2#4.14 P2#5.9 P2#5.10 P2#5.13 P2#5.14 P3.4 P3#2.4 P3#3.4 P3#4.4 P3#5.4
/SDPower: Q1.1 Q1#2.1 Q1#3.1 Q1#4.1 R13.1 R13#2.1 R13#3.1 R13#4.1 U1#6.29 U1#7.29 U1#8.29 U1#9.29
/SDSelect: J1.2 J1#2.2 J1#3.2 J1#4.2 U1#6.41 U1#7.41 U1#8.41 U1#9.41
/SEL: RF1#5.7 RF1#6.7 RF1#7.7 RF1#8.7 U1#10.14 U1#11.14 U1#12.14 U1#13.14
/SW0: S2.1 S2#2.1 S2#3.1 S2#4.1 U1#6.2 U1#7.2 U1#8.2 U1#9.2
/SW1: S1.1 S1#2.1 S1#3.1 S1#4.1 U1#6.19 U1#7.19 U1#8.19 U1#9.19
/SWD_CLK: P5.4 P5#2.4 P5#3.4 P5#4.4 U1#6.22 U1#7.22 U1#8.22 U1#9.22
/SWD_DIO: P5.2 P5#2.2 P5#3.2 P5#4.2 U1#6.25 U1#7.25 U1#8.25 U1#9.25
/SWD_Reset: P5.10 P5#2.10 P5#3.10 P5#4.10 R12.1 R12#2.1 R12#3.1 R12#4.1 U1#6.34 U1#7.34 U1#8.34 U1#9.34
/TXRX: U1#10.20 U1#11.20 U1#12.20 U1#13.20 U2#6.1 U2#7.1 U2#8.1 U2#9.1
/UART_RX: RF1#5.16 RF1#6.16 RF1#7.16 RF1#8.16 U1#10.12 U1#11.12 U1#12.12 U1#13.12
/UART_TX: RF1#5.17 RF1#6.17 RF1#7.17 RF1#8.17 U1#10.11 U1#11.11 U1#12.11 U1#13.11
/USBDM: U1#6.6 U1#7.6 U1#8.6 U1#9.6 U3.2 U3#2.2 U3#3.2 U3#4.2
/USBDP: U1#6.5 U1#7.5 U1#8.5 U1#9.5 U3.3 U3#2.3 U3#3.3 U3#4.3
/USBV1: JMP2.2 JMP2#2.2 JMP2#3.2 JMP2#4.2 P6.1 P6.2 P6.21 P6.22 P6#2.1 P6#2.2 P6#2.21 P6#2.22 P6#3.1 P6#3.2 P6#3.21 P6#3.22 P6#4.1 P6#4.2 P6#4.21 P6#4.22
/USBV2: JMP3.2 JMP3#2.2 JMP3#3.2 JMP3#4.2 U1#6.8 U1#7.8 U1#8.8 U1#9.8
/VSense: IC1.5 IC1#2.5 IC1#3.5 IC1#4.5 IC1#5.5 R1.2 R1#2.2 R1#3.2 R1#4.2 R1#5.2 R2.1 R2#2.1 R2#3.1 R2#4.1 R2#5.1
Net-(A1-Pad2): A1.2 A1#2.2 A1#3.2 A1#4.2 RF1.11 RF1#2.11 RF1#3.11 RF1#4.11
Net-(C1-Pad1): C1#10.1 C1#11.1 C1#12.1 C1#13.1 X1#5.3 X1#6.3 X1#7.3 X1#8.3
Net-(C1-Pad2): C1#6.2 C1#7.2 C1#8.2 C1#9.2 C1#10.2 C1#11.2 C1#12.2 C1#13.2 C2#10.1 C2#11.1 C2#12.1 C2#13.1 JMP1.2 JMP1#2.2 JMP1#3.2 JMP1#4.2 U1#10.28 U1#11.28 U1#12.28 U1#13.28
Net-(C3-Pad1): C3.1 C3#2.1 C3#3.1 C3#4.1 C3#5.1 C3#6.1 C3#7.1 C3#8.1 C3#9.1 R7#6.2 R7#7.2 R7#8.2 R7#9.2 U1.1 U1#2.1 U1#3.1 U1#4.1 U1#5.1 U1#6.32 U1#7.32 U1#8.32 U1#9.32 X1.1 X1#2.1 X1#3.1 X1#4.1
Net-(C3-Pad2): C3#10.2 C3#11.2 C3#12.2 C3#13.2 U1#10.1 U1#11.1 U1#12.1 U1#13.1
Net-(C4-Pad1): C4#6.1 C4#7.1 C4#8.1 C4#9.1 C4#10.1 C4#11.1 C4#12.1 C4#13.1 R7#6.1 R7#7.1 R7#8.1 R7#9.1 U1#6.33 U1#7.33 U1#8.33 U1#9.33 U1#10.7 U1#11.7 U1#12.7 U1#13.7 X1.3 X1#2.3 X1#3.3 X1#4.3
Net-(C5-Pad1): C5.1 C5#2.1 C5#3.1 C5#4.1 C5#5.1 C5#10.1 C5#11.1 C5#12.1 C5#13.1 C8.2 C8#2.2 C8#3.2 C8#4.2 IC1.9 IC1#2.9 IC1#3.9 IC1#4.9 IC1#5.9 L3.1 L3#2.1 L3#3.1 L3#4.1 P3.2 P3#2.2 P3#3.2 P3#4.2 P3#5.2 U1#10.3 U1#11.3 U1#12.3 U1#13.3 U2.5 U2#2.5 U2#3.5 U2#4.5 U2#5.5
Net-(C6-Pad2): C6#10.2 C6#11.2 C6#12.2 C6#13.2 C7#5.2 C7#6.2 C7#7.2 C7#8.2 L2.2 L2#2.2 L2#3.2 L2#4.2 U1#10.4 U1#11.4 U1#12.4 U1#13.4
Net-(C7-Pad1): C7#5.1 C7#6.1 C7#7.1 C7#8.1 L4.2 L4#2.2 L4#3.2 L4#4.2
Net-(C8-Pad1): C8.1 C8#2.1 C8#3.1 C8#4.1 L5.2 L5#2.2 L5#3.2 L5#4.2
Net-(C8-Pad2): C8#5.2 C8#6.2 C8#7.2 C8#8.2 C9#5.2 C9#6.2 C9#7.2 C9#8.2 J1.4 J1#2.4 J1#3.4 J1#4.4 Q1.3 Q1#2.3 Q1#3.3 Q1#4.3
Net-(C9-Pad2): C9.2 C9#2.2 C9#3.2 C9#4.2 L4.1 L4#2.1 L4#3.1 L4#4.1 L7.2 L7#2.2 L7#3.2 L7#4.2
Net-(C10-Pad1): C10#5.1 C10#6.1 C10#7.1 C10#8.1 L7.1 L7#2.1 L7#3.1 L7#4.1 U2#6.4 U2#7.4 U2#8.4 U2#9.4
Net-(C10-Pad2): C10#5.2 C10#6.2 C10#7.2 C10#8.2 L5.1 L5#2.1 L5#3.1 L5#4.1 L6.1 L6#2.1 L6#3.1 L6#4.1
Net-(C12-Pad1): C12.1 C12#2.1 C12#3.1 C12#4.1 L9.2 L9#2.2 L9#3.2 L9#4.2
Net-(C13-Pad1): C13#5.1 C13#6.1 C13#7.1 C13#8.1 C14#5.2 C14#6.2 C14#7.2 C14#8.2 L9.1 L9#2.1 L9#3.1 L9#4.1 L10.2 L10#2.2 L10#3.2 L10#4.2
Net-(C14-Pad1): C14.1 C14#2.1 C14#3.1 C14#4.1 C14#5.1 C14#6.1 C14#7.1 C14#8.1 C15.1 C15#2.1 C15#3.1 C15#4.1 C16.2 C16#2.2 C16#3.2 C16#4.2 L10.1 L10#2.1 L10#3.1 L10#4.1 L11.2 L11#2.2 L11#3.2 L11#4.2 RF1.22 RF1#2.22 RF1#3.22 RF1#4.22
Net-(C14-Pad2): C14.2 C14#2.2 C14#3.2 C14#4.2 R14.1 R14#2.1 R14#3.1 R14#4.1
Net-(C16-Pad1): C16.1 C16#2.1 C16#3.1 C16#4.1 C20.1 C20#2.1 C20#3.1 C20#4.1 C23.2 C23#2.2 C23#3.2 C23#4.2 L11.1 L11#2.1 L11#3.1 L11#4.1 R1#10.1 R1#11.1 R1#12.1 R1#13.1
Net-(C17-Pad1): C17.1 C17#2.1 C17#3.1 C17#4.1 U3#5.16 U3#6.16 U3#7.16 U3#8.16
Net-(C18-Pad1): C18.1 C18#2.1 C18#3.1 C18#4.1 U3#5.15 U3#6.15 U3#7.15 U3#8.15
Net-(C23-Pad1): C23.1 C23#2.1 C23#3.1 C23#4.1 U3#5.3 U3#6.3 U3#7.3 U3#8.3
